# KiCad board ciaa_acc.kicad_pcb (continued)
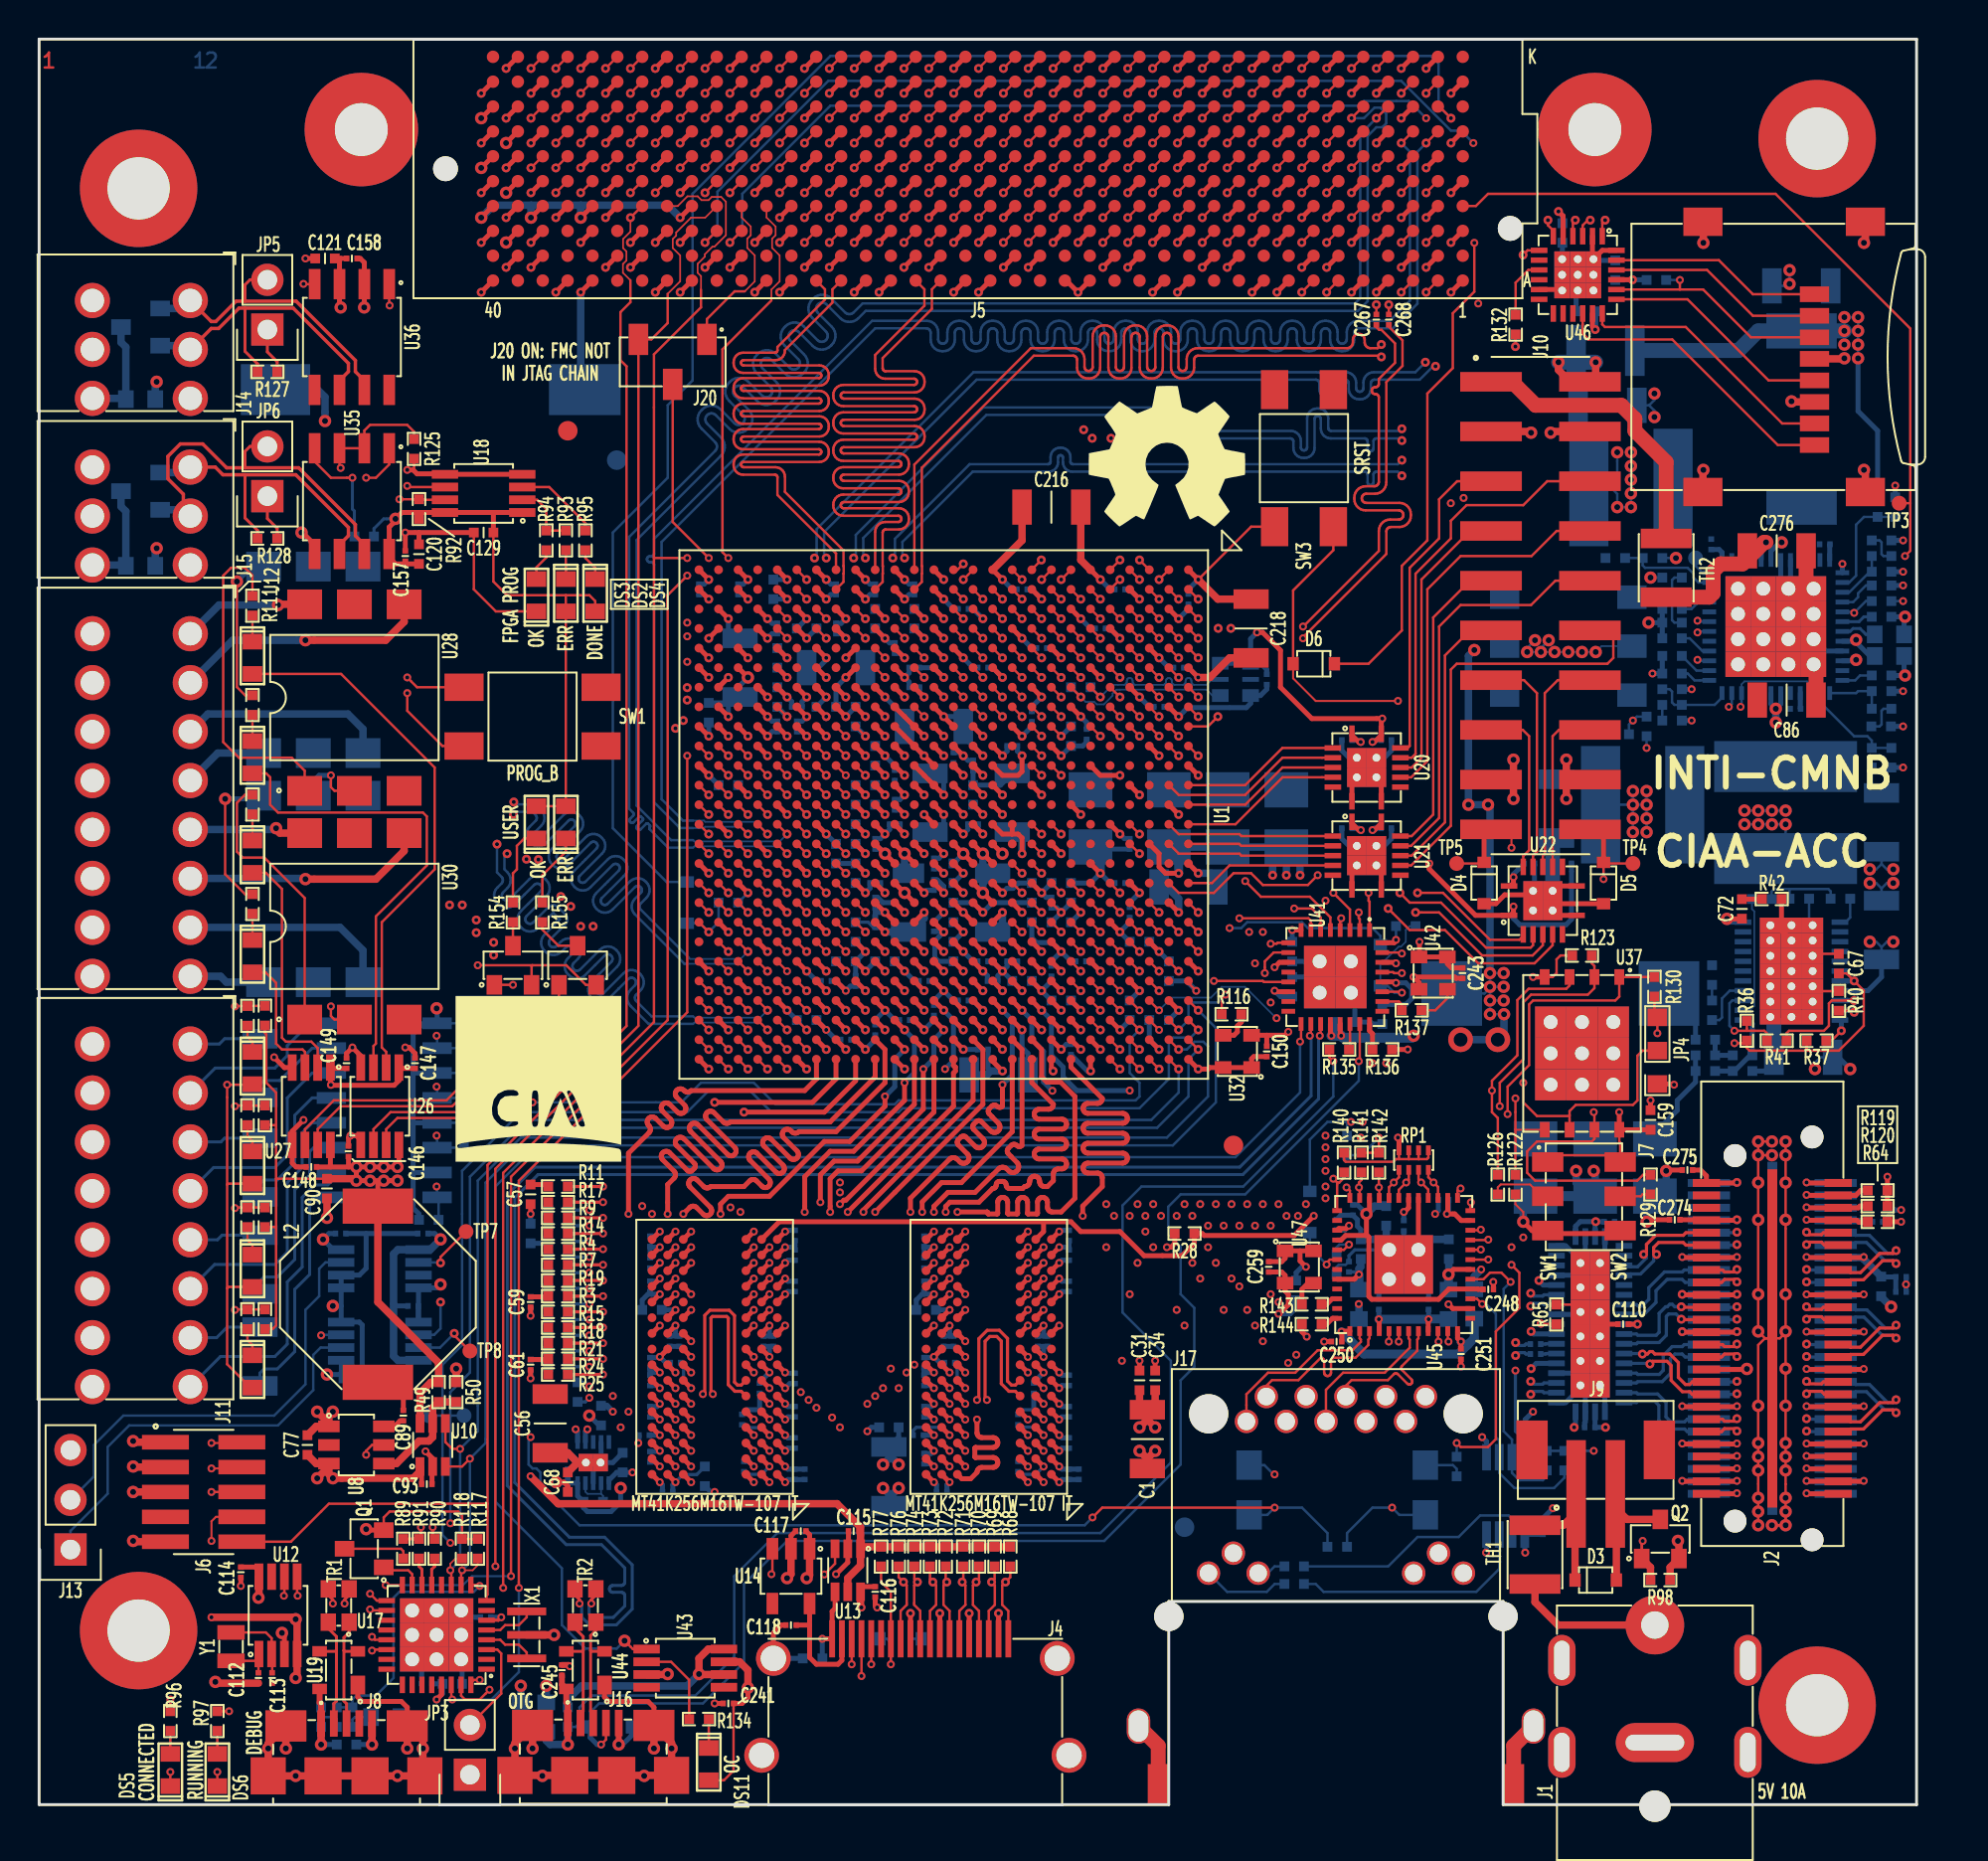
[diagram p0: board, top side]
## Routing (per net, layer and track width the routed paths; a pad name or vN(x,y) marks a point on that pad's centre or on a via; arc(x,y) is an arc through that point) (continued)
/Principal/BANKS_HR/FMC_LA_15_N: length 77.7
  TOP_L1.Sig w0.127: v2(47.98,86.13) 48.57,86.73 J5.H20 ; U1.W19 v2(41.2,44.57)
  L8.Sig w0.089: v2(47.98,86.13) 48.47,85.64 48.47,74.83 48.32,74.83 48.26,74.82 48.21,74.81 48.16,74.78 48.12,74.74 48.09,74.69 48.07,74.64 48.07,74.58 48.07,74.35 48.07,74.29 48.09,74.24 48.12,74.19 48.16,74.15 48.21,74.12 48.26,74.1 48.32,74.09 48.47,74.09 48.47,73.24 47.29,72.05 29.25,72.05 24.72,67.52 24.72,49.88 29.68,44.93 33.88,44.93 33.9,44.95 40.82,44.95 v2(41.2,44.57)
/Principal/BANKS_HR/FMC_LA_15_P: length 77.7
  TOP_L1.Sig w0.127: v2(49.25,86.13) 49.84,86.73 J5.H19 ; U1.W18 v2(41.2,45.57)
  L8.Sig w0.089: v2(49.25,86.13) 48.75,85.64 48.75,74.82 48.75,74.76 48.73,74.71 48.7,74.66 48.66,74.62 48.61,74.59 48.56,74.57 48.5,74.56 48.35,74.56 48.35,74.36 48.5,74.36 48.56,74.35 48.61,74.34 48.66,74.31 48.7,74.27 48.73,74.22 48.75,74.17 48.75,74.11 48.75,73.12 48.4,72.77 48.37,72.73 48.35,72.69 48.34,72.65 48.34,72.61 48.35,72.56 48.37,72.52 48.4,72.49 48.4,72.48 48.43,72.45 48.45,72.41 48.46,72.36 48.46,72.32 48.45,72.28 48.43,72.24 48.4,72.2 48.37,72.17 48.33,72.15 48.28,72.14 48.24,72.14 48.2,72.15 48.16,72.17 48.12,72.2 48.12,72.2 48.08,72.23 48.04,72.25 48,72.26 47.95,72.26 47.91,72.25 47.87,72.23 47.83,72.2 47.4,71.77 29.37,71.77 25,67.41 25,50 29.79,45.21 33.86,45.21 33.88,45.19 40.82,45.19 v2(41.2,45.57)
/Principal/BANKS_HR/FMC_LA_16_N: length 77.7
  TOP_L1.Sig w0.127: J5.G19 49.84,85.46 v2(49.25,84.86) ; U1.AA18 v2(39.2,45.57)
  L8.Sig w0.089: v2(49.25,84.86) 49.74,84.37 49.74,76.47 49.74,76.43 49.73,76.4 49.71,76.37 49.68,76.34 49.65,76.33 49.62,76.31 49.58,76.31 49.4,76.31 49.31,76.3 49.22,76.27 49.14,76.22 49.08,76.15 49.03,76.08 49,75.99 48.99,75.9 48.99,75.84 49,75.75 49.03,75.66 49.08,75.59 49.14,75.52 49.22,75.47 49.31,75.44 49.4,75.43 50.54,75.43 50.58,75.43 50.61,75.41 50.64,75.4 50.67,75.37 50.68,75.34 50.7,75.31 50.7,75.27 50.7,75.23 50.68,75.2 50.67,75.17 50.64,75.14 50.61,75.13 50.58,75.11 50.54,75.11 49.4,75.11 49.31,75.1 49.22,75.07 49.14,75.02 49.08,74.95 49.03,74.88 49,74.79 48.99,74.7 48.99,74.64 49,74.55 49.03,74.46 49.08,74.39 49.14,74.32 49.22,74.27 49.31,74.24 49.4,74.23 49.58,74.23 49.62,74.23 49.65,74.21 49.68,74.2 49.71,74.17 49.73,74.14 49.74,74.11 49.74,74.07 49.74,73.67 49.74,73.64 49.73,73.6 49.71,73.58 49.69,73.55 49.66,73.53 49.63,73.52 49.59,73.52 49.44,73.52 49.41,73.52 49.38,73.51 49.35,73.49 49.33,73.46 49.31,73.44 49.3,73.4 49.29,73.37 49.3,73.34 49.31,73.3 49.33,73.28 49.35,73.25 49.38,73.23 49.41,73.22 49.44,73.22 49.59,73.22 49.63,73.22 49.66,73.21 49.69,73.19 49.71,73.16 49.73,73.14 49.74,73.1 49.74,73.07 49.74,72.6 48.43,71.29 29.63,71.29 25.49,67.14 25.49,50.26 29.82,45.93 33.8,45.93 33.81,45.94 38.83,45.94 v2(39.2,45.57)
/Principal/BANKS_HR/FMC_LA_16_P: length 77.7
  TOP_L1.Sig w0.127: v2(50.52,84.86) 51.11,85.46 J5.G18 ; U1.Y18 v2(40.2,45.57)
  L8.Sig w0.089: v2(50.52,84.86) 50.02,84.37 50.02,76.44 50.01,76.35 49.98,76.26 49.93,76.19 49.87,76.12 49.79,76.07 49.7,76.04 49.61,76.03 49.43,76.03 49.39,76.03 49.36,76.01 49.33,76 49.3,75.97 49.28,75.94 49.27,75.91 49.27,75.87 49.27,75.83 49.28,75.8 49.3,75.77 49.33,75.74 49.36,75.73 49.39,75.71 49.43,75.71 50.57,75.71 50.66,75.7 50.75,75.67 50.82,75.62 50.89,75.55 50.94,75.48 50.97,75.39 50.98,75.3 50.98,75.24 50.97,75.15 50.94,75.06 50.89,74.99 50.82,74.92 50.75,74.87 50.66,74.84 50.57,74.83 49.43,74.83 49.39,74.83 49.36,74.81 49.33,74.8 49.3,74.77 49.28,74.74 49.27,74.71 49.27,74.67 49.27,74.63 49.28,74.6 49.3,74.57 49.33,74.54 49.36,74.53 49.39,74.51 49.43,74.51 49.61,74.51 49.7,74.5 49.79,74.47 49.87,74.42 49.93,74.35 49.98,74.28 50.01,74.19 50.02,74.1 50.02,72.49 48.54,71.01 29.75,71.01 25.77,67.03 25.77,50.38 29.93,46.21 33.8,46.21 33.82,46.19 39.58,46.19 v2(40.2,45.57)
/Principal/BANKS_HR/FMC_LA_17_N: length 83.5
  TOP_L1.Sig w0.127: v2(46.71,81.05) 47.3,81.65 J5.D21 ; U1.AD21 v2(36.2,42.57)
  L8.Sig w0.089: v2(46.71,81.05) 47.2,80.56 47.2,74 46.02,72.81 28.87,72.81 23.96,67.9 23.96,51.59 23.85,51.48 23.85,50.95 v2(24.23,50.57)
  BOT_L12.Sig w0.089: v2(36.2,42.57) 35.82,42.95 33.1,42.95
  BOT_L12.Sig w0.127: 33.1,42.95 32.96,42.95 30.42,45.48 30.35,45.57 30.29,45.69 30.26,45.81 30.26,45.93 30.29,46.05 30.35,46.17 30.42,46.26 30.72,46.56 30.75,46.6 30.77,46.64 30.78,46.69 30.78,46.73 30.77,46.78 30.75,46.82 30.72,46.86 30.69,46.89 30.64,46.91 30.6,46.92 30.55,46.92 30.51,46.91 30.46,46.89 30.43,46.86 29.29,45.72 29.19,45.64 29.08,45.59 28.96,45.56 28.83,45.56 28.71,45.59 28.6,45.64 28.5,45.72 28.45,45.77 28.37,45.87 28.32,45.98 28.29,46.1 28.29,46.22 28.32,46.35 28.37,46.46 28.45,46.55 29.59,47.69 29.62,47.73 29.64,47.77 29.65,47.82 29.65,47.87 29.64,47.91 29.62,47.95 29.59,47.99 29.55,48.02 29.51,48.04 29.47,48.05 29.42,48.05 29.37,48.04 29.33,48.02 29.29,47.99 28.16,46.85 28.06,46.77 27.95,46.72 27.82,46.69 27.7,46.69 27.58,46.72 27.47,46.77 27.37,46.85 27.32,46.9 27.24,47 27.19,47.11 27.16,47.23 27.16,47.36 27.19,47.48 27.24,47.59 27.32,47.69 28.46,48.83 28.49,48.86 28.51,48.9 28.52,48.95 28.52,49 28.51,49.04 28.49,49.08 28.46,49.12 28.42,49.15 28.38,49.17 28.33,49.18 28.29,49.18 28.24,49.17 28.2,49.15 28.16,49.12 27.02,47.98 26.93,47.9 26.81,47.85 26.69,47.82 26.57,47.82 26.45,47.85 26.33,47.9 26.24,47.98 26.19,48.03 26.11,48.13 26.06,48.24 26.03,48.36 26.03,48.49 26.06,48.61 26.11,48.72 26.19,48.82 27.33,49.96 27.36,49.99 27.38,50.04 27.39,50.08 27.39,50.13 27.38,50.17 27.36,50.22 27.33,50.25 27.29,50.28 27.25,50.3 27.2,50.31 27.16,50.31 27.11,50.3 27.07,50.28 27.03,50.25 25.89,49.11 25.8,49.04 25.68,48.98 25.56,48.95 25.44,48.95 25.32,48.98 25.2,49.04 25.11,49.11 25.06,49.16 24.98,49.26 24.93,49.37 24.9,49.49 24.9,49.62 24.93,49.74 24.98,49.85 25.06,49.95 25.36,50.25 25.39,50.28 25.41,50.33 25.42,50.37 25.42,50.42 25.41,50.47 25.39,50.51 25.36,50.54 25.19,50.71 24.36,50.71 v2(24.23,50.57)
/Principal/BANKS_HR/FMC_LA_17_P: length 83.5
  TOP_L1.Sig w0.127: v2(47.98,81.05) 48.57,81.65 J5.D20 ; U1.AD20 v2(36.2,43.57)
  L8.Sig w0.089: v2(24.24,51.21) 24.24,67.79 28.99,72.53 46.13,72.53 46.66,73.06 46.71,73.1 46.76,73.12 46.81,73.13 46.87,73.13 46.92,73.12 46.97,73.1 47.02,73.06 47.1,72.98 47.14,72.94 47.19,72.92 47.25,72.91 47.3,72.91 47.36,72.92 47.41,72.94 47.45,72.98 47.49,73.02 47.51,73.07 47.52,73.13 47.52,73.18 47.51,73.24 47.49,73.29 47.45,73.33 47.37,73.42 47.33,73.46 47.31,73.51 47.3,73.57 47.3,73.62 47.31,73.68 47.33,73.73 47.37,73.77 47.48,73.88 47.48,80.56 v2(47.98,81.05)
  BOT_L12.Sig w0.089: 33.18,43.26 33.24,43.19 35.82,43.19 v2(36.2,43.57)
  BOT_L12.Sig w0.127: v2(24.24,51.21) 24.36,51.09 25.35,51.09 25.65,50.79 25.73,50.69 25.78,50.58 25.81,50.46 25.81,50.33 25.78,50.21 25.73,50.1 25.65,50 25.35,49.7 25.32,49.67 25.3,49.62 25.29,49.58 25.29,49.53 25.3,49.49 25.32,49.44 25.35,49.41 25.39,49.38 25.43,49.36 25.48,49.35 25.52,49.35 25.57,49.36 25.61,49.38 25.65,49.41 26.79,50.55 26.88,50.62 27,50.68 27.12,50.71 27.24,50.71 27.36,50.68 27.48,50.62 27.57,50.55 27.62,50.5 27.7,50.4 27.75,50.29 27.78,50.17 27.78,50.04 27.75,49.92 27.7,49.81 27.62,49.71 26.48,48.57 26.45,48.54 26.43,48.49 26.42,48.45 26.42,48.4 26.43,48.35 26.45,48.31 26.48,48.28 26.52,48.25 26.56,48.23 26.61,48.22 26.65,48.22 26.7,48.23 26.74,48.25 26.78,48.28 27.92,49.42 28.02,49.49 28.13,49.55 28.25,49.57 28.37,49.57 28.5,49.55 28.61,49.49 28.7,49.42 28.75,49.37 28.83,49.27 28.88,49.16 28.91,49.04 28.91,48.91 28.88,48.79 28.83,48.68 28.75,48.58 27.61,47.44 27.58,47.4 27.56,47.36 27.55,47.32 27.55,47.27 27.56,47.22 27.58,47.18 27.61,47.14 27.65,47.12 27.69,47.1 27.74,47.08 27.79,47.08 27.83,47.1 27.87,47.12 27.91,47.14 29.05,48.28 29.15,48.36 29.26,48.42 29.38,48.44 29.51,48.44 29.63,48.42 29.74,48.36 29.84,48.28 29.88,48.24 29.96,48.14 30.02,48.03 30.04,47.9 30.04,47.78 30.02,47.66 29.96,47.55 29.88,47.45 28.75,46.31 28.72,46.27 28.7,46.23 28.69,46.18 28.69,46.14 28.7,46.09 28.72,46.05 28.75,46.01 28.78,45.98 28.82,45.96 28.87,45.95 28.92,45.95 28.96,45.96 29.01,45.98 29.04,46.01 30.18,47.15 30.28,47.23 30.39,47.28 30.51,47.31 30.64,47.31 30.76,47.28 30.87,47.23 30.97,47.15 31.02,47.1 31.09,47.01 31.15,46.89 31.18,46.77 31.18,46.65 31.15,46.53 31.09,46.41 31.02,46.32 30.72,46.02 30.69,45.98 30.67,45.94 30.66,45.89 30.66,45.85 30.67,45.8 30.69,45.76 30.72,45.72 33.18,43.26
/Principal/BANKS_HR/FMC_LA_18_N: length 84
  TOP_L1.Sig w0.127: U1.AC24 v2(37.2,39.57) ; v2(44.17,79.78) 44.76,80.38 J5.C23
  L8.Sig w0.089: v2(44.17,79.78) 44.66,79.29 44.66,75.14 43.09,73.57 28.49,73.57 23.2,68.28 23.2,49.24 v2(23.39,49.06)
  BOT_L12.Sig w0.089: v2(37.2,39.57) 36.82,39.95 33.47,39.95 33.4,39.88
  BOT_L12.Sig w0.127: 33.4,39.88 31.12,39.88 30.2,40.8 30.12,40.9 30.07,41.02 30.04,41.14 30.04,41.27 30.07,41.4 30.12,41.52 30.2,41.62 30.42,41.83 30.45,41.87 30.47,41.92 30.48,41.97 30.48,42.02 30.47,42.07 30.45,42.12 30.42,42.16 30.38,42.2 30.33,42.22 30.28,42.23 30.23,42.23 30.17,42.22 30.13,42.2 30.09,42.16 29.08,41.16 28.98,41.08 28.86,41.02 28.74,40.99 28.61,40.99 28.48,41.02 28.36,41.08 28.26,41.16 28.21,41.21 28.13,41.31 28.07,41.43 28.04,41.55 28.04,41.68 28.07,41.81 28.13,41.93 28.21,42.03 29.22,43.03 29.25,43.07 29.27,43.12 29.28,43.17 29.28,43.23 29.27,43.28 29.25,43.32 29.22,43.37 29.17,43.4 29.13,43.42 29.08,43.43 29.02,43.43 28.97,43.42 28.92,43.4 28.88,43.37 27.88,42.36 27.78,42.28 27.66,42.22 27.53,42.19 27.4,42.19 27.28,42.22 27.16,42.28 27.06,42.36 27.01,42.41 26.93,42.51 26.87,42.63 26.84,42.76 26.84,42.89 26.87,43.01 26.93,43.13 27.01,43.23 27.22,43.45 27.26,43.49 27.28,43.53 27.29,43.59 27.29,43.64 27.28,43.69 27.26,43.74 27.22,43.78 27.18,43.81 27.13,43.83 27.08,43.84 27.03,43.84 26.98,43.83 26.93,43.81 26.89,43.78 26.68,43.56 26.58,43.48 26.46,43.43 26.33,43.4 26.2,43.4 26.08,43.43 25.96,43.48 25.86,43.56 25.81,43.61 25.73,43.71 25.67,43.83 25.64,43.96 25.64,44.09 25.67,44.22 25.73,44.33 25.81,44.43 26.32,44.95 26.32,44.95 26.59,45.21 26.26,45.55 25.48,44.77 25.37,44.68 25.26,44.63 25.13,44.6 25,44.6 24.87,44.63 24.76,44.68 24.66,44.77 24.6,44.82 24.52,44.92 24.47,45.03 24.44,45.16 24.44,45.29 24.47,45.42 24.52,45.53 24.6,45.64 25.61,46.64 25.64,46.68 25.66,46.73 25.68,46.78 25.68,46.83 25.66,46.88 25.64,46.93 25.61,46.97 25.57,47 25.52,47.03 25.47,47.04 25.42,47.04 25.37,47.03 25.32,47 25.28,46.97 24.27,45.97 24.17,45.89 24.05,45.83 23.93,45.8 23.8,45.8 23.67,45.83 23.55,45.89 23.45,45.97 23.4,46.02 23.32,46.12 23.27,46.24 23.24,46.36 23.24,46.49 23.27,46.62 23.32,46.74 23.4,46.84 23.62,47.05 23.65,47.09 23.67,47.14 23.68,47.19 23.68,47.24 23.67,47.3 23.65,47.34 23.62,47.38 23.39,47.62 v2(23.39,49.06)
/Principal/BANKS_HR/FMC_LA_18_P: length 84
  TOP_L1.Sig w0.127: J5.C22 46.03,80.38 v2(45.44,79.78) ; U1.AC23 v2(37.2,40.57)
  L8.Sig w0.089: v2(23.9,48.57) 23.9,49.09 23.48,49.51 23.48,68.17 28.6,73.29 43.21,73.29 44.19,74.28 44.22,74.3 44.26,74.32 44.29,74.33 44.33,74.33 44.37,74.32 44.41,74.3 44.44,74.28 44.47,74.25 44.5,74.22 44.53,74.2 44.57,74.2 44.61,74.2 44.65,74.2 44.68,74.22 44.71,74.25 44.74,74.28 44.76,74.31 44.76,74.35 44.76,74.39 44.76,74.43 44.74,74.46 44.71,74.49 44.69,74.52 44.66,74.55 44.64,74.59 44.64,74.63 44.64,74.67 44.64,74.7 44.66,74.74 44.69,74.77 44.94,75.03 44.94,79.29 v2(45.44,79.78)
  BOT_L12.Sig w0.089: v2(37.2,40.57) 36.82,40.19 33.47,40.19 33.4,40.26
  BOT_L12.Sig w0.127: v2(23.9,48.57) 23.77,48.44 23.77,47.77 23.91,47.63 23.99,47.53 24.05,47.41 24.08,47.28 24.08,47.15 24.05,47.03 23.99,46.91 23.91,46.81 23.7,46.59 23.66,46.55 23.64,46.51 23.63,46.45 23.63,46.4 23.64,46.35 23.66,46.3 23.7,46.26 23.74,46.23 23.79,46.21 23.84,46.19 23.89,46.19 23.94,46.21 23.99,46.23 24.03,46.26 25.03,47.27 25.13,47.35 25.25,47.4 25.38,47.43 25.51,47.43 25.63,47.4 25.75,47.35 25.85,47.27 25.9,47.22 25.98,47.11 26.04,47 26.07,46.87 26.07,46.74 26.04,46.61 25.98,46.5 25.9,46.4 24.9,45.39 24.87,45.35 24.84,45.3 24.83,45.25 24.83,45.2 24.84,45.15 24.87,45.1 24.9,45.06 24.94,45.03 24.99,45 25.04,44.99 25.09,44.99 25.14,45 25.19,45.03 25.23,45.06 26,45.83 26.07,45.88 26.14,45.92 26.22,45.94 26.3,45.94 26.37,45.92 26.45,45.88 26.51,45.83 26.87,45.47 26.92,45.4 26.96,45.33 26.98,45.25 26.98,45.17 26.96,45.1 26.92,45.02 26.87,44.96 26.1,44.19 26.07,44.15 26.05,44.1 26.03,44.05 26.03,44 26.05,43.95 26.07,43.9 26.1,43.86 26.14,43.82 26.19,43.8 26.24,43.79 26.29,43.79 26.34,43.8 26.39,43.82 26.43,43.86 26.65,44.07 26.75,44.15 26.87,44.21 26.99,44.24 27.12,44.24 27.25,44.21 27.37,44.15 27.47,44.07 27.52,44.02 27.6,43.92 27.66,43.8 27.68,43.68 27.68,43.55 27.66,43.42 27.6,43.3 27.52,43.2 27.3,42.99 27.27,42.95 27.25,42.9 27.24,42.85 27.24,42.8 27.25,42.74 27.27,42.7 27.3,42.66 27.34,42.62 27.39,42.6 27.44,42.59 27.5,42.59 27.55,42.6 27.59,42.62 27.64,42.66 28.64,43.66 28.74,43.74 28.86,43.8 28.98,43.83 29.11,43.83 29.24,43.8 29.36,43.74 29.46,43.66 29.51,43.61 29.59,43.51 29.65,43.39 29.68,43.26 29.68,43.13 29.65,43.01 29.59,42.89 29.51,42.79 28.51,41.79 28.47,41.74 28.45,41.7 28.44,41.65 28.44,41.59 28.45,41.54 28.47,41.49 28.51,41.45 28.55,41.42 28.59,41.4 28.65,41.39 28.7,41.39 28.75,41.4 28.8,41.42 28.84,41.45 29.84,42.46 29.94,42.54 30.06,42.6 30.19,42.62 30.32,42.62 30.44,42.6 30.56,42.54 30.66,42.46 30.71,42.41 30.79,42.31 30.85,42.19 30.88,42.06 30.88,41.93 30.85,41.81 30.79,41.69 30.71,41.59 30.5,41.37 30.47,41.33 30.44,41.28 30.43,41.23 30.43,41.18 30.44,41.13 30.47,41.08 30.5,41.04 31.28,40.26 33.4,40.26
/Principal/BANKS_HR/FMC_LA_19_N: length 77.7
  TOP_L1.Sig w0.127: J5.H23 44.76,86.73 v2(44.17,86.13) ; U1.Y15 v2(40.2,48.57)
  L10.Sig w0.089: v2(44.17,86.13) 44.68,86.64 44.68,87.73 44.5,87.91 42.57,87.91 42.39,87.73 42.39,83.14 42.44,83.08 44.6,83.08 44.93,82.76 44.93,76.81 44.67,76.56 44.67,76.52 44.66,76.4 44.62,76.29 44.56,76.19 44.47,76.1 44.37,76.04 44.25,76 44.13,75.98 43.72,75.98 43.65,75.97 43.58,75.95 43.52,75.91 43.47,75.86 43.43,75.8 43.41,75.73 43.4,75.66 43.41,75.59 43.43,75.52 43.47,75.45 43.52,75.4 43.58,75.36 43.65,75.34 43.72,75.33 44.13,75.33 44.25,75.32 44.37,75.28 44.47,75.21 44.56,75.13 44.62,75.03 44.66,74.91 44.67,74.79 44.67,70.57 44.49,70.39 44.48,70.36 44.46,70.34 44.46,70.31 44.46,70.28 44.46,70.26 44.48,70.23 44.49,70.21 44.62,70.08 44.64,70.06 44.65,70.03 44.66,70 44.66,69.98 44.65,69.95 44.64,69.92 44.62,69.9 44.6,69.88 44.58,69.87 44.55,69.87 44.52,69.87 44.49,69.87 44.47,69.88 44.45,69.9 44.32,70.03 44.29,70.05 44.27,70.06 44.24,70.07 44.21,70.07 44.19,70.06 44.16,70.05 44.14,70.03 44.12,70.01 44.11,69.99 44.1,69.96 44.1,69.93 44.11,69.9 44.12,69.88 44.14,69.86 44.27,69.73 44.29,69.7 44.3,69.68 44.31,69.65 44.31,69.62 44.3,69.6 44.29,69.57 44.27,69.55 44.25,69.53 44.22,69.52 44.19,69.51 44.17,69.51 44.14,69.52 44.11,69.53 44.09,69.55 43.96,69.68 43.94,69.7 43.92,69.71 43.89,69.71 43.86,69.71 43.83,69.71 43.81,69.7 43.79,69.68 43.59,69.48 41.31,69.48 41.22,69.49 41.15,69.52 41.08,69.56 41.02,69.62 40.98,69.69 40.95,69.77 40.94,69.85 40.94,70.01 40.94,70.04 40.93,70.06 40.92,70.08 40.9,70.1 40.88,70.11 40.86,70.12 40.83,70.12 40.73,70.12 40.7,70.12 40.68,70.11 40.66,70.1 40.64,70.08 40.63,70.06 40.62,70.04 40.62,70.01 40.62,69.85 40.61,69.77 40.58,69.69 40.54,69.62 40.48,69.56 40.41,69.52 40.33,69.49 40.25,69.48 30.38,69.48 26.53,65.63 26.53,53.55 31.88,48.21 33.62,48.21 33.63,48.19 39.82,48.19 v2(40.2,48.57)
/Principal/BANKS_HR/FMC_LA_19_P: length 77.7
  TOP_L1.Sig w0.127: U1.Y16 v2(40.2,47.57) ; v2(45.44,86.13) 46.03,86.73 J5.H22
  L10.Sig w0.089: v2(40.2,47.57) 39.82,47.95 33.63,47.95 33.61,47.93 31.76,47.93 26.25,53.44 26.25,65.74 30.27,69.76 40.23,69.76 40.26,69.77 40.28,69.77 40.3,69.79 40.32,69.8 40.33,69.83 40.34,69.85 40.34,69.87 40.34,70.04 40.35,70.12 40.38,70.19 40.42,70.26 40.48,70.32 40.55,70.36 40.62,70.39 40.71,70.4 40.85,70.4 40.93,70.39 41.01,70.36 41.08,70.32 41.14,70.26 41.18,70.19 41.21,70.12 41.22,70.04 41.22,69.87 41.22,69.85 41.23,69.83 41.24,69.8 41.26,69.79 41.28,69.77 41.3,69.77 41.33,69.76 43.48,69.76 44.42,70.71 44.42,74.76 44.42,74.83 44.39,74.9 44.35,74.96 44.3,75.01 44.24,75.05 44.17,75.07 44.1,75.08 43.69,75.08 43.57,75.1 43.46,75.14 43.35,75.2 43.27,75.29 43.2,75.39 43.16,75.5 43.15,75.62 43.15,75.69 43.16,75.81 43.2,75.93 43.27,76.03 43.35,76.11 43.46,76.18 43.57,76.22 43.69,76.23 44.1,76.23 44.17,76.24 44.24,76.26 44.3,76.3 44.35,76.35 44.39,76.42 44.42,76.49 44.42,76.56 44.42,76.66 44.68,76.91 44.68,82.65 44.5,82.83 42.34,82.83 42.14,83.04 42.14,87.84 42.47,88.16 44.6,88.16 44.93,87.84 44.93,86.64 v2(45.44,86.13)
/Principal/BANKS_HR/FMC_LA_20_N: length 77.7
  TOP_L1.Sig w0.127: v2(45.44,84.86) 46.03,85.46 J5.G22 ; U1.AF14 v2(34.2,49.57)
  L10.Sig w0.089: v2(34.2,49.57) 33.84,49.21 31.89,49.21 27.29,53.81 27.29,65.25 30.76,68.72 44.48,68.72 44.88,69.12 44.9,69.14 44.94,69.16 44.97,69.16 45.01,69.16 45.04,69.16 45.07,69.14 45.1,69.12 45.61,68.61 45.69,68.55 45.77,68.51 45.86,68.49 45.95,68.49 46.04,68.51 46.13,68.55 46.2,68.61 46.24,68.64 46.29,68.71 46.33,68.8 46.35,68.89 46.35,68.98 46.33,69.07 46.29,69.16 46.24,69.23 45.51,69.95 45.53,69.97 45.25,70.25 45.23,70.27 45.22,70.29 45.22,70.31 45.22,70.34 45.22,70.36 45.23,70.39 45.25,70.41 45.31,70.47 45.33,70.49 45.36,70.5 45.38,70.5 45.41,70.5 45.43,70.5 45.45,70.49 45.47,70.47 45.59,70.36 45.65,70.31 45.73,70.27 45.81,70.25 45.89,70.25 45.97,70.27 46.05,70.31 46.11,70.36 46.21,70.46 46.21,71.46 46.22,71.5 46.23,71.53 46.25,71.56 46.27,71.59 46.3,71.61 46.34,71.62 46.37,71.62 47.1,71.62 47.19,71.63 47.28,71.66 47.35,71.71 47.42,71.78 47.47,71.86 47.5,71.95 47.51,72.04 47.51,72.09 47.5,72.18 47.47,72.27 47.42,72.35 47.35,72.41 47.28,72.46 47.19,72.49 47.1,72.5 45.62,72.5 45.59,72.51 45.56,72.52 45.52,72.54 45.5,72.56 45.48,72.59 45.47,72.63 45.46,72.66 45.47,72.7 45.48,72.73 45.5,72.76 45.52,72.79 45.56,72.81 45.59,72.82 45.62,72.82 47.1,72.82 47.19,72.83 47.28,72.86 47.35,72.91 47.42,72.98 47.47,73.06 47.5,73.15 47.51,73.24 47.51,73.29 47.5,73.38 47.47,73.47 47.42,73.55 47.35,73.61 47.28,73.66 47.19,73.69 47.1,73.7 45.62,73.7 45.59,73.71 45.56,73.72 45.52,73.74 45.5,73.76 45.48,73.79 45.47,73.83 45.46,73.86 45.47,73.9 45.48,73.93 45.5,73.96 45.52,73.99 45.56,74.01 45.59,74.02 45.62,74.02 47.1,74.02 47.19,74.03 47.28,74.06 47.35,74.11 47.42,74.18 47.47,74.26 47.5,74.35 47.51,74.44 47.51,74.49 47.5,74.58 47.47,74.67 47.42,74.75 47.35,74.81 47.28,74.86 47.19,74.89 47.1,74.9 45.62,74.9 45.59,74.91 45.56,74.92 45.52,74.94 45.5,74.96 45.48,74.99 45.47,75.03 45.46,75.06 45.47,75.1 45.48,75.13 45.5,75.16 45.52,75.19 45.56,75.21 45.59,75.22 45.62,75.22 47.1,75.22 47.19,75.23 47.28,75.26 47.35,75.31 47.42,75.38 47.47,75.46 47.5,75.55 47.51,75.64 47.51,75.69 47.5,75.78 47.47,75.87 47.42,75.95 47.35,76.01 47.28,76.06 47.19,76.09 47.1,76.1 45.62,76.1 45.59,76.11 45.56,76.12 45.52,76.14 45.5,76.16 45.48,76.19 45.47,76.23 45.46,76.26 45.47,76.3 45.48,76.33 45.5,76.36 45.52,76.39 45.56,76.41 45.59,76.42 45.62,76.42 45.8,76.42 45.89,76.43 45.98,76.46 46.06,76.51 46.12,76.58 46.17,76.66 46.2,76.75 46.21,76.84 46.21,83.86 46.71,84.36 46.96,84.36 47.22,84.61 47.22,85.12 46.96,85.37 46.45,85.37 45.95,84.86 v2(45.44,84.86)
/Principal/BANKS_HR/FMC_LA_20_P: length 77.7
  TOP_L1.Sig w0.127: U1.AF15 v2(34.2,48.57) ; J5.G21 47.3,85.46 v2(46.71,84.86)
  L10.Sig w0.089: v2(34.2,48.57) 33.84,48.93 31.77,48.93 27.01,53.69 27.01,65.36 30.65,69 44.36,69 44.7,69.33 44.77,69.39 44.85,69.43 44.94,69.45 45.04,69.45 45.13,69.43 45.21,69.39 45.28,69.33 45.79,68.82 45.82,68.8 45.85,68.78 45.89,68.78 45.93,68.78 45.96,68.78 45.99,68.8 46.02,68.82 46.04,68.85 46.06,68.88 46.07,68.92 46.07,68.95 46.06,68.99 46.04,69.02 46.02,69.05 45.31,69.75 45.33,69.77 45.03,70.06 44.98,70.13 44.95,70.2 44.93,70.28 44.93,70.37 44.95,70.45 44.98,70.52 45.03,70.59 45.13,70.69 45.2,70.74 45.27,70.77 45.35,70.79 45.44,70.79 45.52,70.77 45.59,70.74 45.66,70.69 45.77,70.57 45.79,70.55 45.81,70.54 45.84,70.54 45.87,70.54 45.89,70.54 45.91,70.55 45.93,70.57 45.93,71.49 45.94,71.58 45.97,71.67 46.02,71.75 46.09,71.81 46.17,71.86 46.26,71.89 46.35,71.9 47.07,71.9 47.11,71.91 47.14,71.92 47.17,71.94 47.2,71.96 47.22,71.99 47.23,72.03 47.23,72.06 47.23,72.1 47.22,72.13 47.2,72.16 47.17,72.19 47.14,72.21 47.11,72.22 47.07,72.22 45.6,72.22 45.51,72.23 45.42,72.26 45.34,72.31 45.28,72.38 45.23,72.46 45.2,72.55 45.19,72.64 45.19,72.69 45.2,72.78 45.23,72.87 45.28,72.95 45.34,73.01 45.42,73.06 45.51,73.09 45.6,73.1 47.07,73.1 47.11,73.11 47.14,73.12 47.17,73.14 47.2,73.16 47.22,73.19 47.23,73.23 47.23,73.26 47.23,73.3 47.22,73.33 47.2,73.36 47.17,73.39 47.14,73.41 47.11,73.42 47.07,73.42 45.6,73.42 45.51,73.43 45.42,73.46 45.34,73.51 45.28,73.58 45.23,73.66 45.2,73.75 45.19,73.84 45.19,73.89 45.2,73.98 45.23,74.07 45.28,74.15 45.34,74.21 45.42,74.26 45.51,74.29 45.6,74.3 47.07,74.3 47.11,74.31 47.14,74.32 47.17,74.34 47.2,74.36 47.22,74.39 47.23,74.43 47.23,74.46 47.23,74.5 47.22,74.53 47.2,74.56 47.17,74.59 47.14,74.61 47.11,74.62 47.07,74.62 45.6,74.62 45.51,74.63 45.42,74.66 45.34,74.71 45.28,74.78 45.23,74.86 45.2,74.95 45.19,75.04 45.19,75.09 45.2,75.18 45.23,75.27 45.28,75.35 45.34,75.41 45.42,75.46 45.51,75.49 45.6,75.5 47.07,75.5 47.11,75.51 47.14,75.52 47.17,75.54 47.2,75.56 47.22,75.59 47.23,75.63 47.23,75.66 47.23,75.7 47.22,75.73 47.2,75.76 47.17,75.79 47.14,75.81 47.11,75.82 47.07,75.82 45.6,75.82 45.51,75.83 45.42,75.86 45.34,75.91 45.28,75.98 45.23,76.06 45.2,76.15 45.19,76.24 45.19,76.29 45.2,76.38 45.23,76.47 45.28,76.55 45.34,76.61 45.42,76.66 45.51,76.69 45.6,76.7 45.77,76.7 45.81,76.71 45.84,76.72 45.87,76.74 45.9,76.76 45.92,76.79 45.93,76.83 45.93,76.86 45.93,77.53 45.93,77.57 45.92,77.6 45.9,77.63 45.88,77.65 45.85,77.67 45.82,77.68 45.78,77.68 45.44,77.68 45.41,77.69 45.38,77.7 45.35,77.72 45.32,77.74 45.31,77.77 45.29,77.8 45.29,77.83 45.29,77.87 45.31,77.9 45.32,77.93 45.35,77.95 45.38,77.97 45.41,77.98 45.44,77.98 45.78,77.98 45.82,77.99 45.85,78 45.88,78.02 45.9,78.04 45.92,78.07 45.93,78.1 45.93,78.13 45.93,78.9 45.93,78.92 45.92,78.94 45.91,78.97 45.89,78.98 45.87,79 45.84,79.01 45.82,79.01 45.4,79.01 45.37,79.01 45.35,79.02 45.33,79.03 45.31,79.05 45.29,79.07 45.29,79.1 45.28,79.12 45.29,79.15 45.29,79.17 45.31,79.19 45.33,79.21 45.35,79.23 45.37,79.23 45.4,79.24 45.82,79.24 45.84,79.24 45.87,79.25 45.89,79.26 45.91,79.28 45.92,79.3 45.93,79.33 45.93,79.35 45.93,84.09 v2(46.71,84.86)
/Principal/BANKS_HR/FMC_LA_21_N: length 77.7
  TOP_L1.Sig w0.127: J5.H26 40.95,86.73 v2(40.36,86.13) ; U1.AE21 v2(35.2,42.57)
  L8.Sig w0.089: v2(40.36,86.13) 40.85,85.64 40.85,78.49 40.86,78.42 40.88,78.36 40.92,78.29 40.97,78.24 41.03,78.21 41.1,78.18 41.17,78.17 41.33,78.17 41.35,78.17 41.36,78.17 41.37,78.16 41.38,78.15 41.39,78.14 41.39,78.13 41.39,78.11 41.39,77.91 41.39,77.9 41.39,77.89 41.38,77.88 41.37,77.87 41.36,77.86 41.35,77.86 41.33,77.85 41.17,77.85 41.1,77.85 41.03,77.82 40.97,77.78 40.92,77.73 40.88,77.67 40.86,77.6 40.85,77.53 40.85,75.52 40.43,75.1 40.4,75.1 40.38,75.11 40.36,75.12 40.34,75.14 40.33,75.16 40.32,75.18 40.32,75.21 40.32,75.37 40.31,75.45 40.28,75.53 40.24,75.6 40.18,75.66 40.11,75.7 40.03,75.73 39.95,75.74 39.8,75.74 39.72,75.73 39.65,75.7 39.58,75.66 39.52,75.6 39.47,75.53 39.45,75.45 39.44,75.37 39.44,75.21 39.43,75.18 39.43,75.16 39.41,75.14 39.4,75.12 39.37,75.11 39.35,75.1 39.33,75.1 27.6,75.1 21.68,69.17 21.68,48.23 26.98,42.93 28.92,42.93 28.98,42.94 29.04,42.96 29.09,42.99 29.13,43.03 29.16,43.08 29.18,43.14 29.19,43.2 29.19,43.36 29.2,43.36 29.5,43.36 29.51,43.36 29.51,42.77 29.52,42.71 29.54,42.65 29.57,42.6 29.61,42.56 29.66,42.53 29.72,42.51 29.78,42.5 30.12,42.5 30.18,42.51 30.24,42.53 30.29,42.56 30.33,42.6 30.36,42.65 30.38,42.71 30.39,42.77 30.39,43.36 30.4,43.36 30.7,43.36 30.71,43.36 30.71,42.77 30.72,42.71 30.74,42.65 30.77,42.6 30.81,42.56 30.86,42.53 30.92,42.51 30.98,42.5 31.32,42.5 31.38,42.51 31.44,42.53 31.49,42.56 31.53,42.6 31.56,42.65 31.58,42.71 31.59,42.77 31.59,43.36 31.6,43.36 31.9,43.36 31.91,43.36 31.91,42.77 31.92,42.71 31.94,42.65 31.97,42.6 32.01,42.56 32.06,42.53 32.12,42.51 32.18,42.5 32.52,42.5 32.58,42.51 32.64,42.53 32.69,42.56 32.73,42.6 32.76,42.65 32.78,42.71 32.79,42.77 32.79,43.07 32.79,43.07 32.79,43.36 32.8,43.36 33.11,43.36 33.11,43.36 33.11,43.2 33.12,43.14 33.14,43.08 33.17,43.03 33.22,42.99 33.27,42.96 33.32,42.94 33.38,42.93 33.4,42.93 33.42,42.95 34.82,42.95 v2(35.2,42.57)
